# Altium PCB 23D_ESC_DRIVER.PcbDoc
Units mil, origin at the board's own origin, x right, y up, seen from the top; angles counter-clockwise.
Board outline 3865.05 x 3155.05 mil, 4 copper layers (Top Layer, Signal Layer 1, Signal Layer 2, Bottom Layer), stack 30.634 mil thick; 78 components, 75 nets, 340 pads, 490 vias.
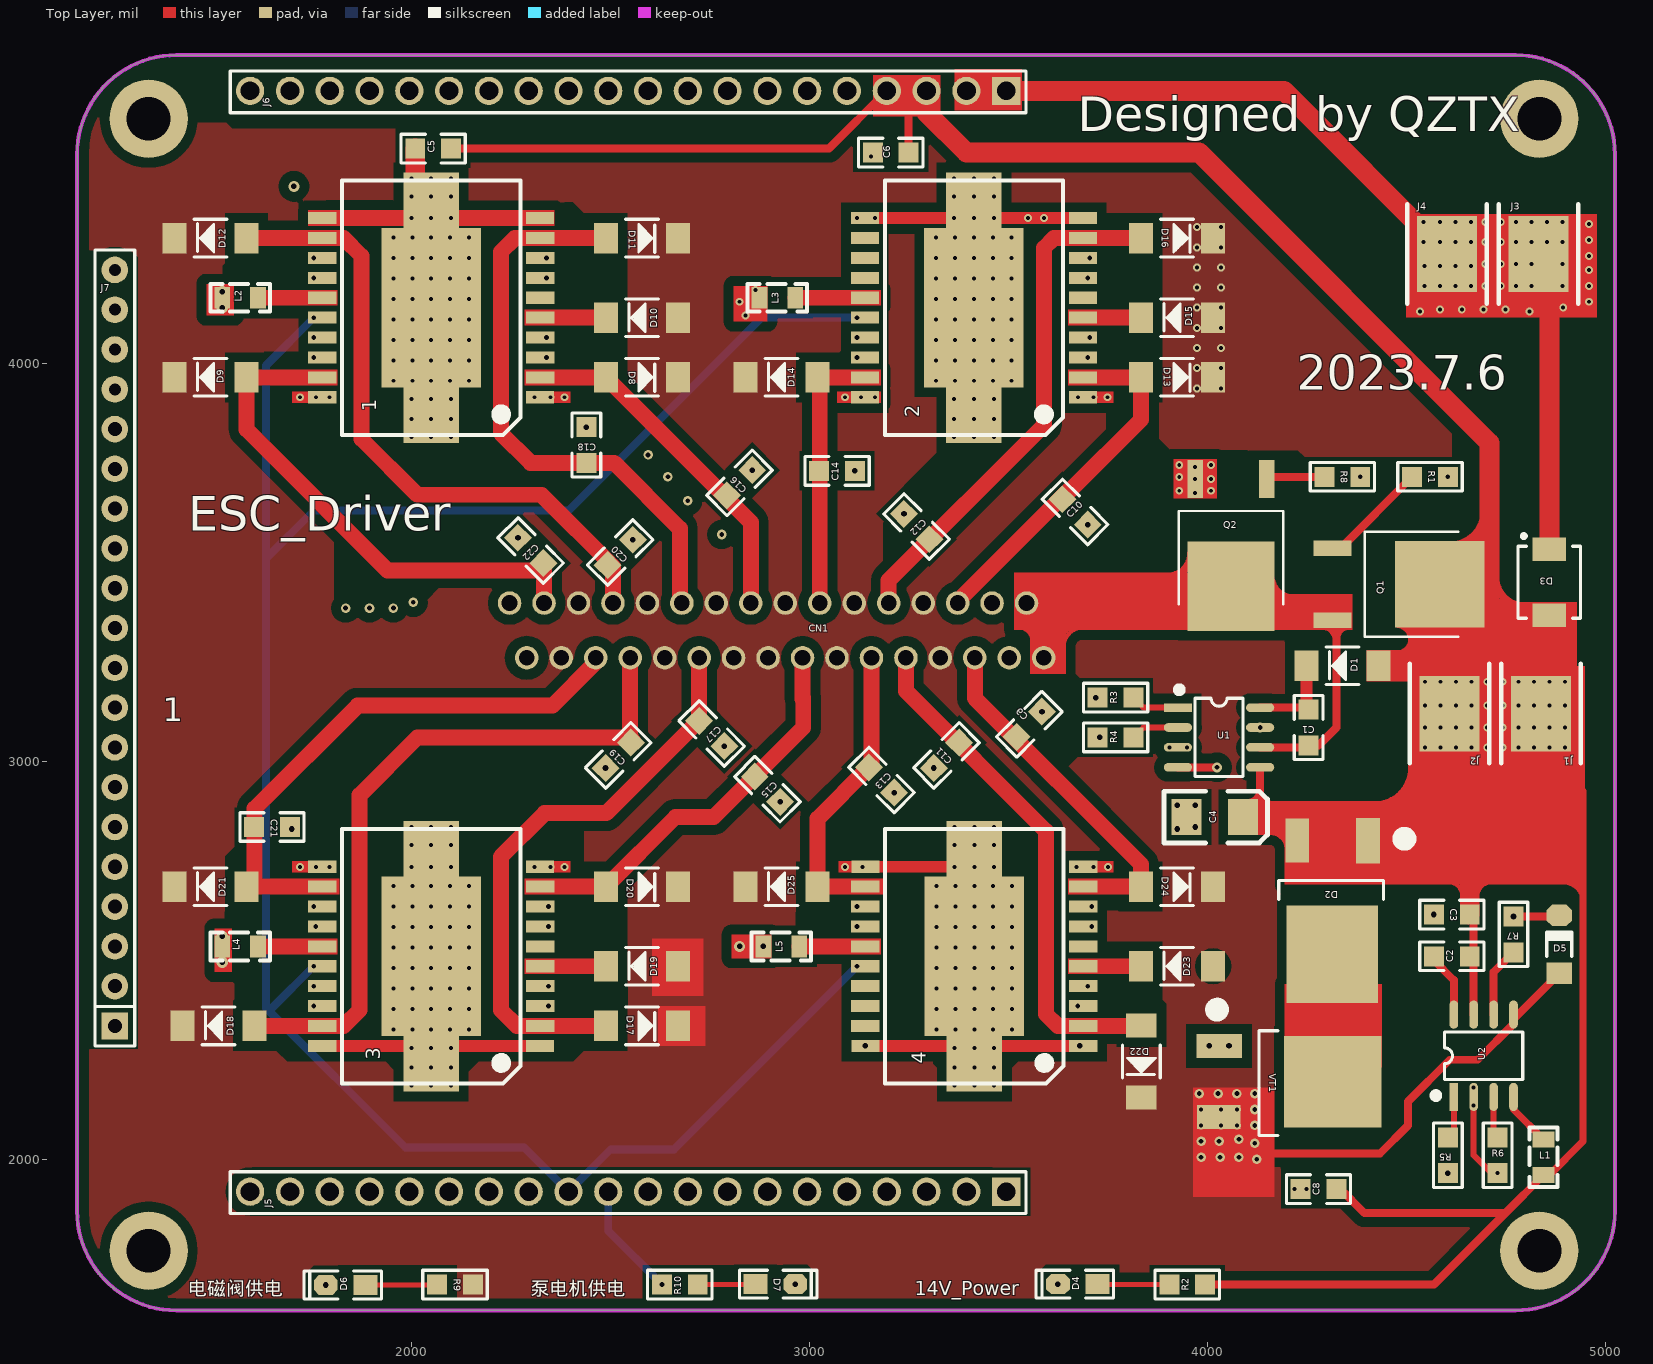
[diagram p0: Top Layer view]
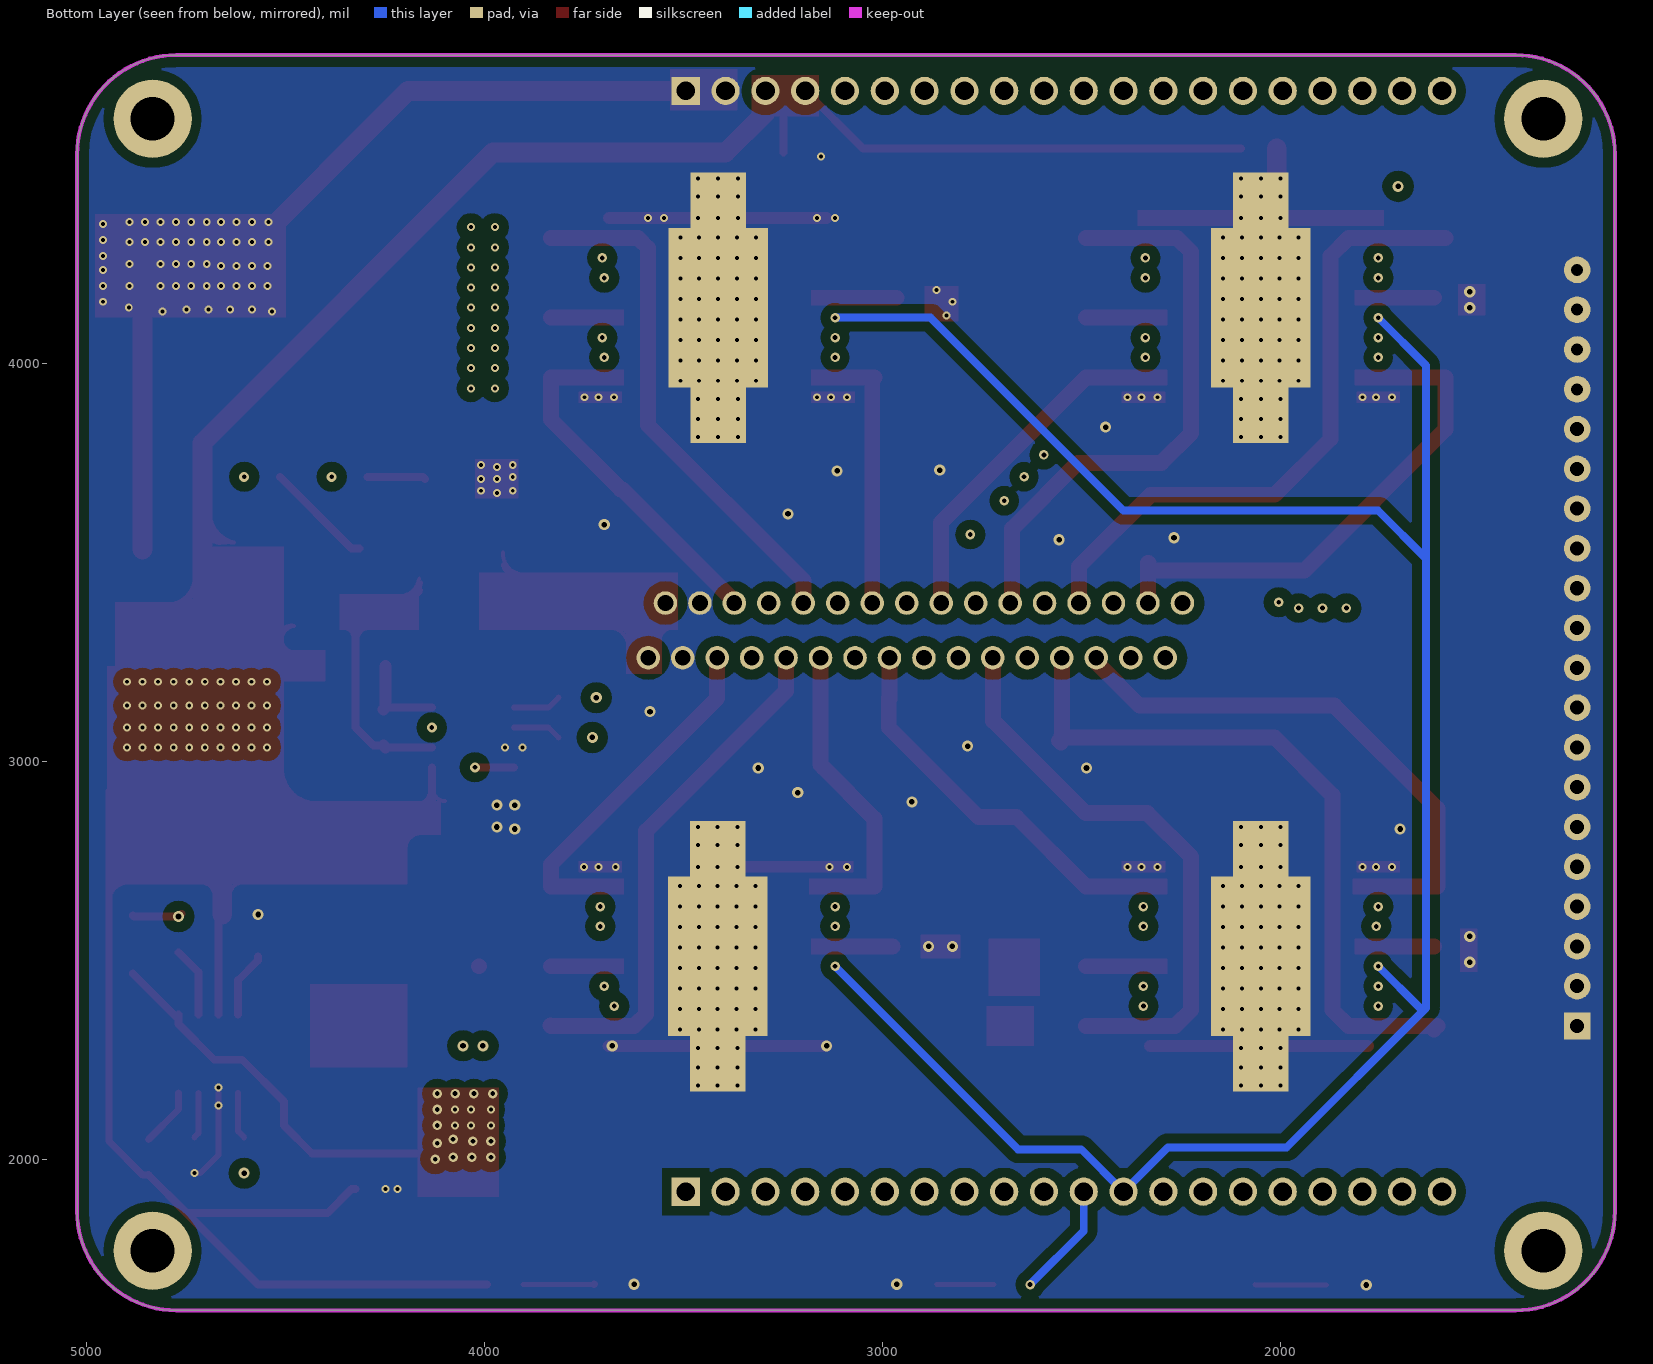
[diagram p1: Bottom Layer view, seen from below]
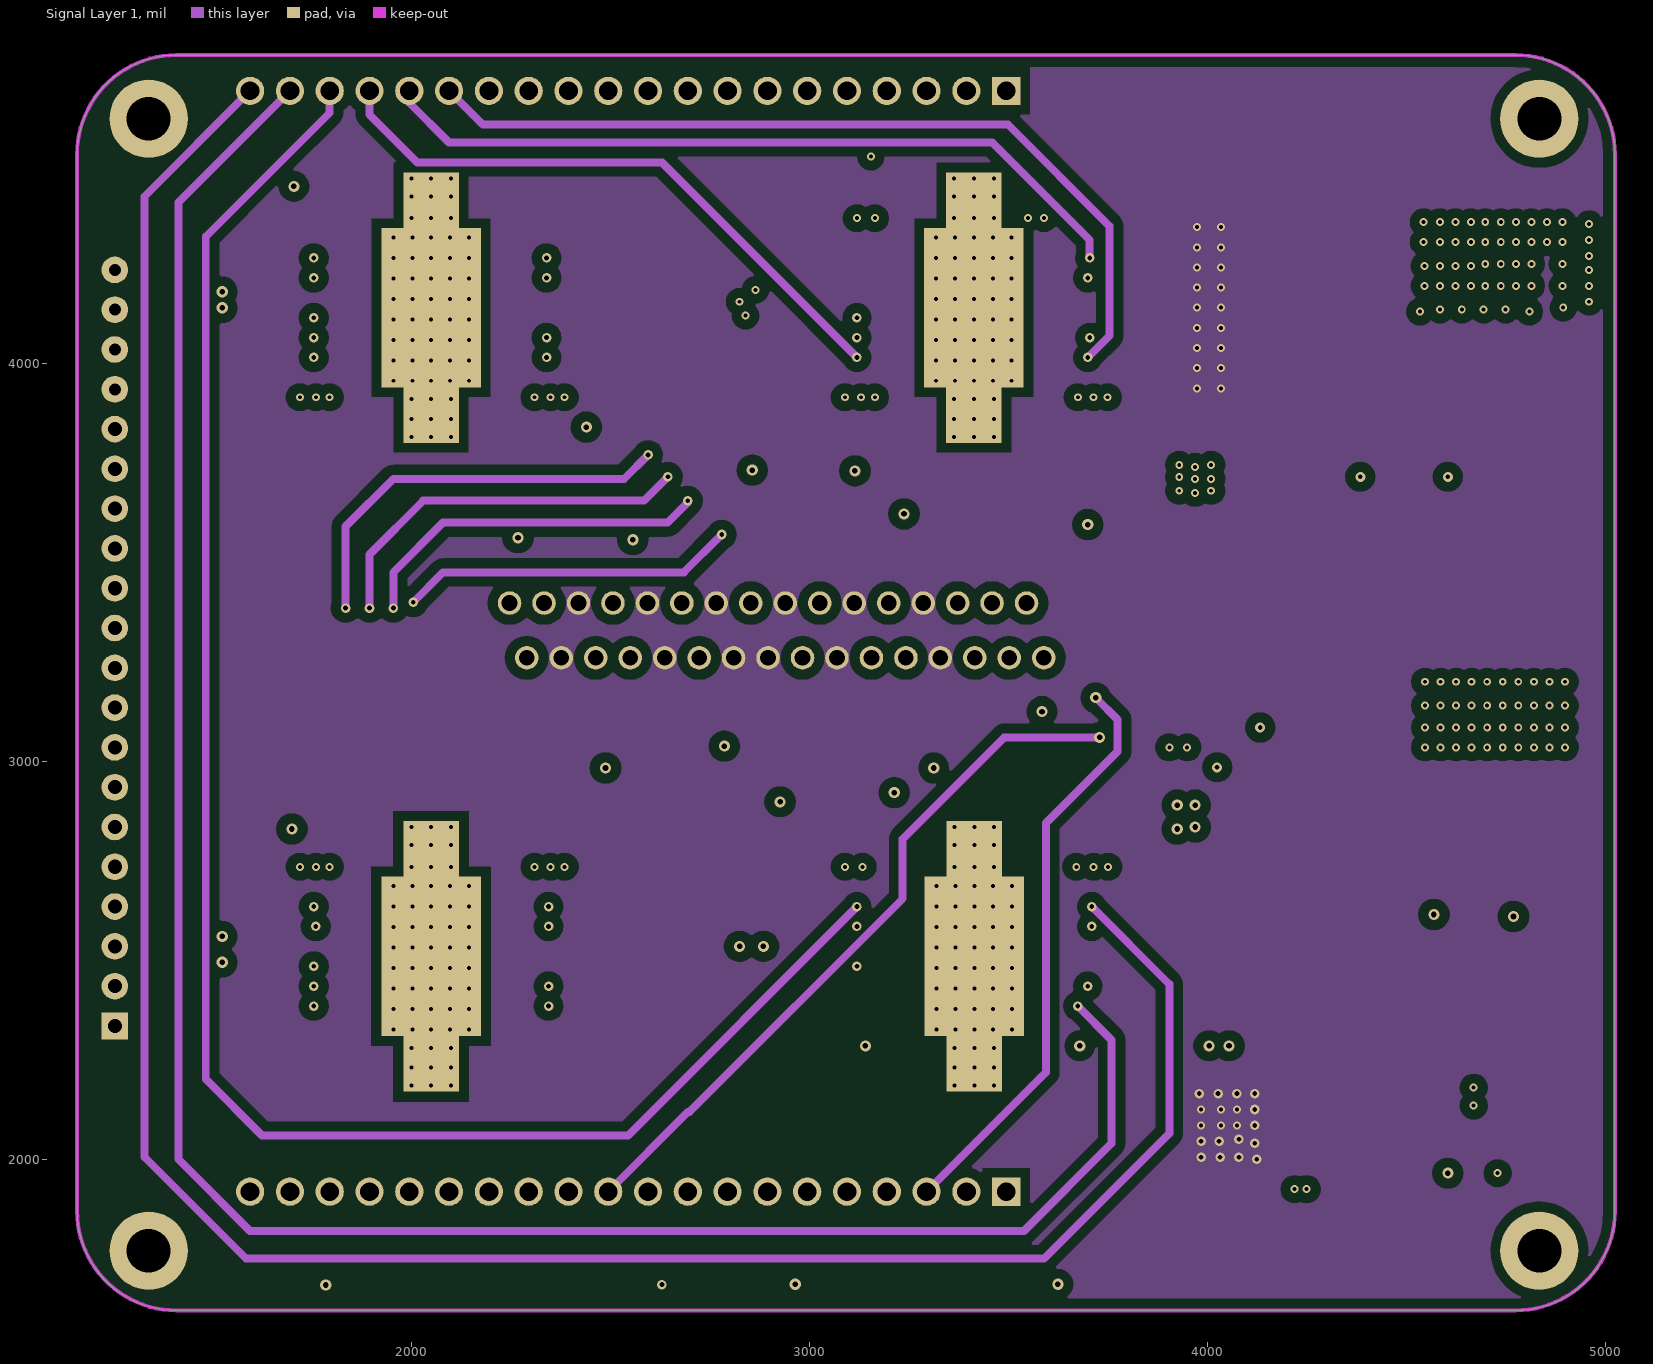
[diagram p2: Signal Layer 1]
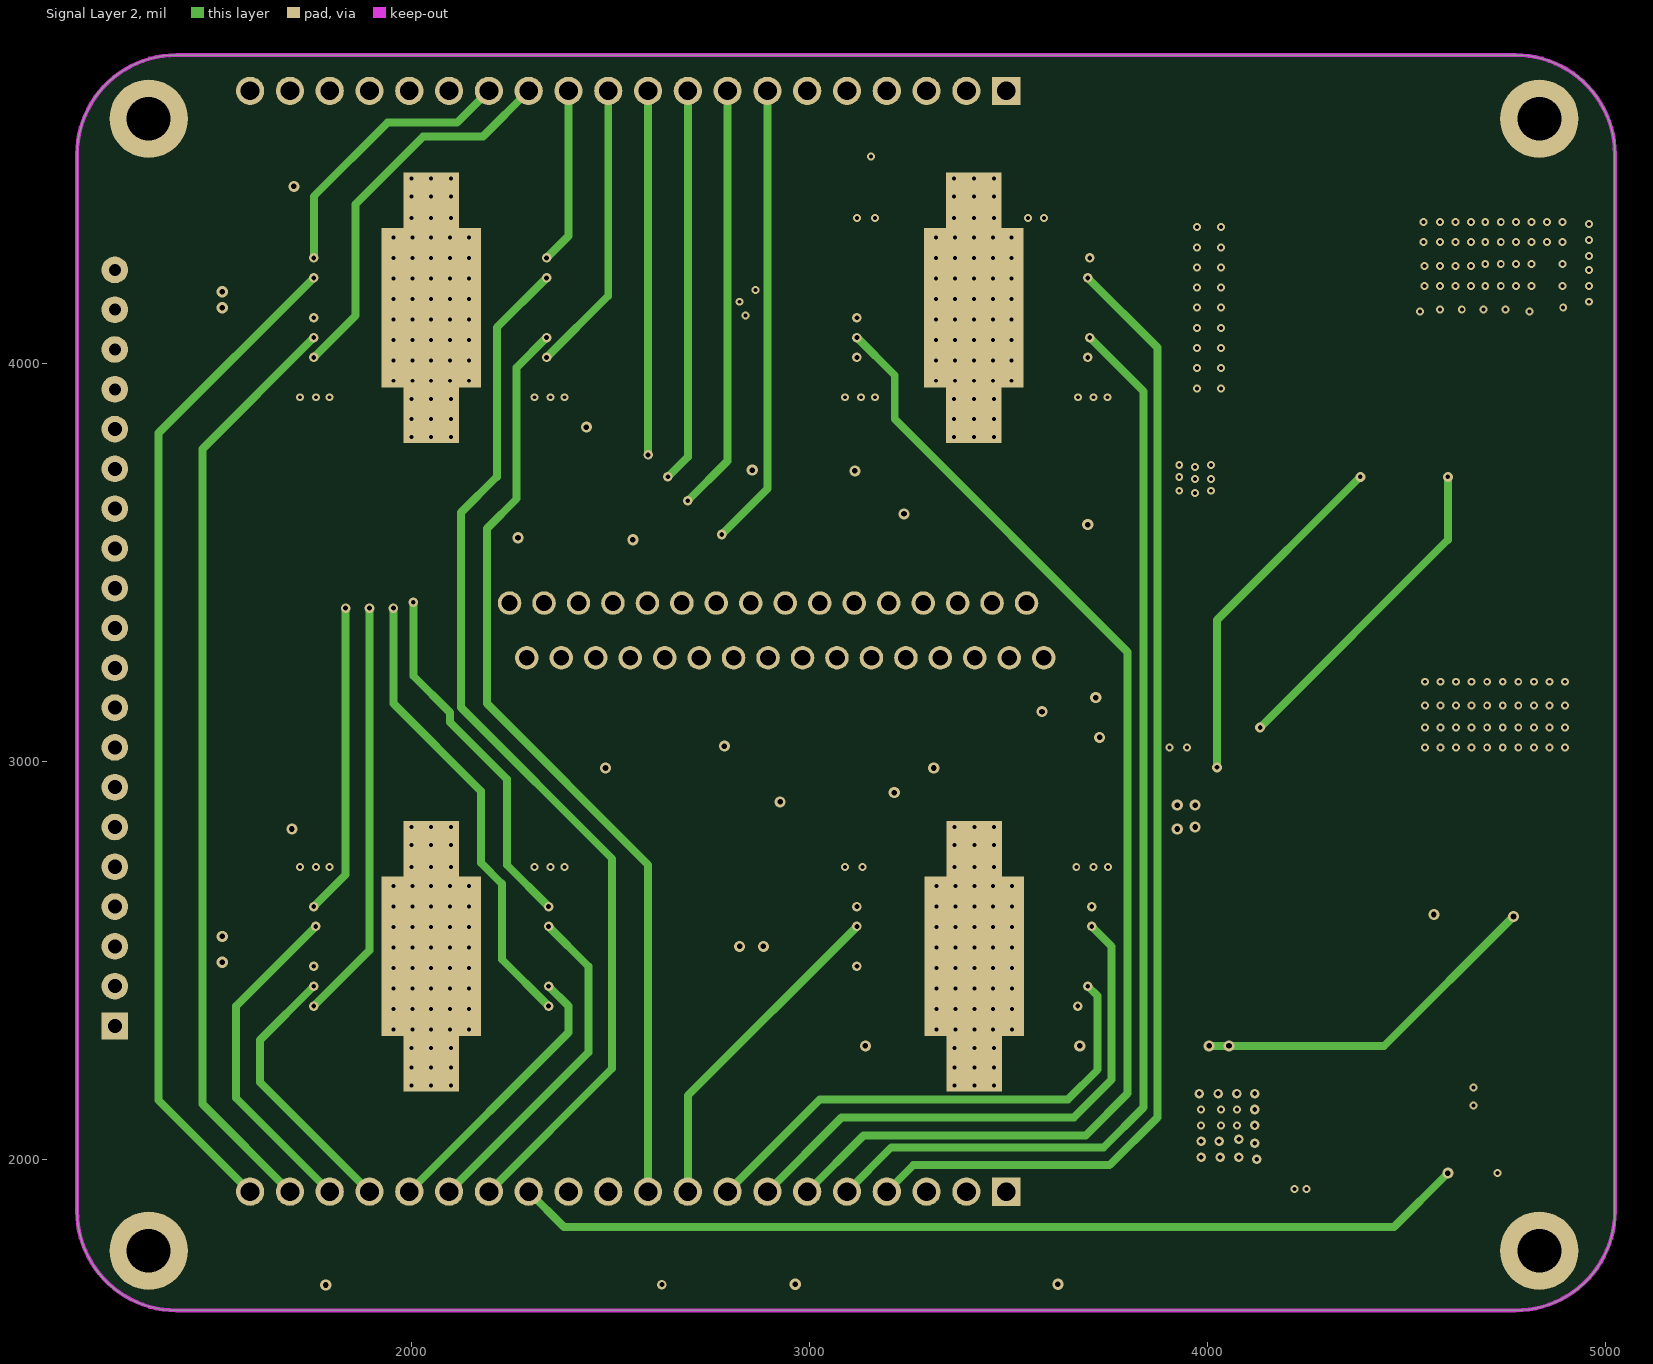
[diagram p3: Signal Layer 2]

## Layer stack, top to bottom
Top Solder: solder mask 0.4, Solder Resist, Dk 3.5
Top Layer: signal copper 1.4
Dielectric 1: core 10, FR-4, Dk 4.2
Signal Layer 1: signal copper 1.417
Dielectric 3: prepreg 5, Dk 4.2
Signal Layer 2: signal copper 1.417
Dielectric 2: core 10, Dk 4.2
Bottom Layer: signal copper 1.4
Bottom Solder: solder mask 0.4, Solder Resist, Dk 3.5

## Board outline
1160,1870 1160,4524.97 1159.97,4524.97 cw(c1410,4524.97) 1410,4775 4774.97,4775 4774.97,4775.03 cw(c4774.97,4525) 5025,4525 5025,1870 5025.03,1870.03 cw(c4775,1870.03) 4775,1620 1410.03,1620 1410.03,1619.97 cw(c1410.03,1870)

## Design rules (kind name [scope] priority, off if disabled: settings)
Clearance Inpoly [InPoly] p1: gap=25
Clearance Clearance_1 [All] p2: gap=10
HoleSize [All] p1: absolutevalues=TRUE maxlimit=500 minlimit=1 maxpercent=80.000 minpercent=20.000
MinimumSolderMaskSliver [All] p1: minsoldermaskwidth=7
PlaneConnect [All] p1: planeconnectstyle=Direct reliefexpansion=20 reliefentries=4 reliefconductorwidth=10 reliefairgap=10
PolygonConnect [All] p1: connectstyle=Direct reliefconductorwidth=10 reliefentries=4 polygonreliefangle="90 Angle" airgapwidth=10
RoutingVias [All] p1: holewidth=28 width=50 viastyle="Through Hole" minholewidth=10 minwidth=20 maxholewidth=28 maxwidth=50
SilkToSilkClearance [All] p1: silktosilkclearance=0
SilkToSolderMaskClearance [IsPad] p1: minsilkscreentomaskgap=1 clearancetoexposedcopper=TRUE
SolderMaskExpansion [All] p1: expansion=4
Width [All] p1: maxlimit=80 minlimit=10 preferedwidth=10
25 further rules are at their usual default settings.

## Components (designator, comment, footprint, x,y, rotation, side; value= is the part's Value field where it differs from the comment)
1 "POWER_SO_20" POWERSO-20_L15.9-W11.0-P1.27-LS14.2-BL-EP 2050,4140 r90 top
2 "POWER_SO_20" POWERSO-20_L15.9-W11.0-P1.27-LS14.2-BL-EP 3413.92,4140 r90 top
3 "POWER_SO_20" POWERSO-20_L15.9-W11.0-P1.27-LS14.2-BL-EP 2050,2510 r90 top
4 "POWER_SO_20" POWERSO-20_L15.9-W11.0-P1.27-LS14.2-BL-EP 3415,2510 r90 top
C1 "50V 10uF" "C 0805" 4255,3085 r90 top
C2 "50V 104" "C 0805" 4615,2510 r0 top
C3 "10uF" "C 0805" 4615,2615 r180 top
C4 "25V 10uF" "CP 3528B" 4019.13,2860 r180 top
C5 "10uF" "C 0805" 2055,4540 r0 top
C6 "10uF" "C 0805" 3205,4530 r0 top
C8 "10uF" "C 0805" 4280,1925 r0 top
C9 "2.2uF" "C 0805" 3553.18,3093.18 r225 top
C10 "2.2uF" "C 0805" 3668.18,3626.82 r315 top
C11 "2.2uF" "C 0805" 3345,3015 r45 top
C12 "2.2uF" "C 0805" 3270,3590 r135 top
C13 "2.2uF" "C 0805" 3181.82,2953.18 r135 top
C14 "2.2uF" "C 0805" 3070,3730 r0 top
C15 "2.2uF" "C 0805" 2895,2930 r135 top
C16 "2.2uF" "C 0805" 2825,3700 r45 top
C17 "2.2uF" "C 0805" 2755,3070 r135 top
C18 "2.2uF" "C 0805" 2440,3795 r90 top
C19 "2.2uF" "C 0805" 2520,3015 r45 top
C20 "2.2uF" "C 0805" 2525,3525 r45 top
C21 "2.2uF" "C 0805" 1650,2835 r180 top
C22 "2.2uF" "C 0805" 2300,3530 r135 top
CN1 "MX34032NF2" CONN-TH_MX34032NF2 2918.26,3328.9 r0 top
D1 "ES1B-E3/61T" DO-214 4340,3240 r180 top
D2 "V40PWM45C" TO252_DIO 4315,2680.35 r180 top
D3 "P6SMB18" DO-214AA 4860,3450 r90 top
D4 "RED" LED_0805 3675,1686 r180 top
D5 "18V" LL34 4885,2540 r90 top
D6 "orange" LED_0805 1835,1684 r180 top
D7 "orange" LED_0805 2915,1686 r0 top
D8 "120T3G" DO-214 2580,3965 r0 top
D9 "120T3G" DO-214 1495,3965 r180 top
D10 "SS34" DO-214 2579.04,4115 r180 top
D11 "120T3G" DO-214 2580,4315 r0 top
D12 "120T3G" DO-214 1495,4315 r180 top
D13 "120T3G" DO-214 3925,3965 r0 top
D14 "120T3G" DO-214 2930,3965 r180 top
D15 "SS34" DO-214 3924.04,4115 r180 top
D16 "120T3G" DO-214 3925,4315 r0 top
D17 "120T3G" DO-214 2580,2335 r0 top
D18 "120T3G" DO-214 1515,2335 r180 top
D19 "SS34" DO-214 2579.04,2485 r180 top
D20 "120T3G" DO-214 2580,2685 r0 top
D21 "120T3G" DO-214 1495,2685 r180 top
D22 "120T3G" DO-214 3835,2245 r270 top
D23 "SS34" DO-214 3924.04,2485 r180 top
D24 "120T3G" DO-214 3925,2685 r0 top
D25 "120T3G" DO-214 2930,2685 r180 top
J1 "SMT_Connector" SMT_Connector 4839,3120 r180 top
J2 "SMT_Connector" SMT_Connector 4609,3120 r180 top
J3 "SMT_Connector" SMT_Connector 4833,4275 r0 top
J4 "SMT_Connector" SMT_Connector 4603,4275 r0 top
J5 "2.54-1*20P直针" HDR-TH_20P-P2.54-V-M-1 2545,1918.5 r180 top
J6 "2.54-1*20P直针" HDR-TH_20P-P2.54-V-M-1 2545,4685 r180 top
J7 "2.54-1*20P直针" HDR2.54-LI-20P 1255,3285 r90 top
L1 "Inductor" "L 0805" 4845,2005 r270 top
L2 "Inductor" "L 0805" 1570,4165 r0 top
L3 "Inductor" "L 0805" 2920,4165 r0 top
L4 "Inductor" "L 0805" 1570,2535 r0 top
L5 "Inductor" "L 0805" 2930,2535 r0 top
Q1 "LR7843-VB" TO-252-2_L6.6-W6.1-P4.58-LS9.9-BR 4450.21,3445 r180 top
Q2 "LR7843-VB" TO-252-2_L6.6-W6.1-P4.58-LS9.9-BR 4060,3574.79 r90 top
R1 "10R" "R 0805" 4560,3715 r180 top
R2 "10K" "R 0805" 3950,1685 r0 top
R3 "1K" "R 0805" 3770,3160 r0 top
R4 "1K" "R 0805" 3770,3060 r0 top
R5 "1K" "R 0805" 4605,2010 r90 top
R6 "6.8R@Ipeak=167mA" "R 0805" 4730,2010 r90 top
R7 "330R" "R 0805" 4770,2565 r90 top
R8 "10R" "R 0805" 4340,3715 r180 top
R9 "10K" "R 0805" 2110,1685 r180 top
R10 "10K" "R 0805" 2675,1685 r0 top
U1 "IR2184" SOP8 4030,3060 r0 top
U2 "AUIR3241S" SOP8 4695,2260 r90 top
VT1 "SQD40N06" TO252 4150,2195 r270 top

## Footprints (in the part's own frame and the unit in brackets; to place one, negate y for a bottom-side part, rotate by r counter-clockwise, add the part's x,y. Pads: shape width x height; smd on the part's side, far side on the other; paste and mask are expansions set on the pad)
"C 0805" [mil]
  rect 50x50 smd: 1(-45,0) 2(45,0)
  silkscreen extent -81,-36 81,36, body extent -39,-24 39,24, height 20
CONN-TH_MX34032NF2 [mm]
  round 1.5 hole 1 paste+0 mask+0.05: 1(17.05,-1.75) 2(15.95,1.75) 3(14.85,-1.75) 4(13.75,1.75) 5(12.65,-1.75) 6(11.55,1.75) 7(10.45,-1.75) 8(9.35,1.75) 9(8.25,-1.75) 10(7.15,1.75) 11(6.05,-1.75) 12(4.95,1.75) 13(3.85,-1.75) 14(2.75,1.75) 15(1.65,-1.75) 16(0.55,1.75) 17(-0.55,-1.75) 18(-1.65,1.75) 19(-2.75,-1.75) 20(-3.85,1.75) 21(-4.95,-1.75) 22(-6.05,1.75) 23(-7.15,-1.75) 24(-8.25,1.75) 25(-9.35,-1.75) 26(-10.45,1.75) 27(-11.55,-1.75) 28(-12.65,1.75) 29(-13.75,-1.75) 30(-14.85,1.75) 31(-15.95,-1.75) 32(-17.05,1.75)
"CP 3528B" [mil]
  rect 75x90 smd: 1(-70.86,0) 2(70.87,0)
  silkscreen extent -132,-65 128,65, body extent -69,-55 69,55, height 75
DO-214 [mil]
  rect 60x76.77 smd: 1(-91.03,0) 2(90.07,0)
  silkscreen extent -42,-47 41,47, body extent -84,-47 83,47, height 118
DO-214AA [mm]
  rect 1.5x2.15 smd: 1(-2.1,0) 2(2.1,0)
  silkscreen extent -2.3,-2 3.07,2, body extent -2.29,-1.97 2.28,1.97, height 2.44
HDR2.54-LI-20P [mm] "排针，20脚"
  rect 1.7x1.7 hole 0.9: 1(-24.13,0)
  round 1.7 hole 0.9: 2(-21.59,0) 3(-19.05,0) 4(-16.51,0) 5(-13.97,0) 6(-11.43,0) 7(-8.89,0) 8(-6.35,0) 9(-3.81,0) 10(-1.27,0) 11(1.27,0) 12(3.81,0) 13(6.35,0) 14(8.89,0) 15(11.43,0) 16(13.97,0)
  round 1.7 hole 0.762: 17(16.51,0) 18(19.05,0) 19(21.59,0) 20(24.13,0)
  silkscreen extent -25.4,-1.27 25.4,1.27, body extent -25.4,-1.27 25.4,1.27, height 8.5
HDR-TH_20P-P2.54-V-M-1 [mm]
  rect 1.8x1.8 hole 1.2 mask+0.051: 1(-24.13,0)
  round 1.8 hole 1.2 mask+0.051: 2(-21.59,0) 3(-19.05,0) 4(-16.51,0) 5(-13.97,0) 6(-11.43,0) 7(-8.89,0) 8(-6.35,0) 9(-3.81,0) 10(-1.27,0) 11(1.27,0) 12(3.81,0) 13(6.35,0) 14(8.89,0) 15(11.43,0) 16(13.97,0) 17(16.51,0) 18(19.05,0) 19(21.59,0) 20(24.13,0)
  silkscreen extent -25.4,-1.27 25.4,1.4
"L 0805" [mil] "小功率贴片电感"
  rect 40x55 smd: 1(-45,0) 2(45,0)
  silkscreen extent -75,-35 75,35, body extent -39,-24 39,24, height 35
LED_0805 [mil]
  rect 60x50 smd: 1(-50,0)
  oct 60x50 smd: 2(50,0)
  silkscreen extent -90,-35 105,35, body extent -39,-25 39,25, height 32
LL34 [mm]
  rect 1.37x1.62 smd: 1(-1.855,0)
  oct 1.37x1.62 smd: 2(1.855,0)
  silkscreen extent -0.76,-0.8 0.78,0.8, body extent -1.7,-0.75 1.7,0.75, height 1.5
POWERSO-20_L15.9-W11.0-P1.27-LS14.2-BL-EP [mm]
  rect 0.772x1.8 smd paste+0 mask+0.051: 1(-5.715,-6.955) 2(-4.445,-6.958) 3(-3.175,-6.958) 4(-1.905,-6.958) 5(-0.635,-6.958) 6(0.635,-6.958) 7(1.905,-6.958) 8(3.175,-6.958) 9(4.445,-6.958) 10(5.715,-6.955) 11(5.715,6.955) 12(4.445,6.958) 13(3.175,6.958) 14(1.905,6.958) 15(0.635,6.958) 16(-0.635,6.958) 17(-1.905,6.958) 18(-3.175,6.958) 19(-4.445,6.958) 20(-5.715,6.955)
  rect 3.556x3.556 all layers, no hole: 21(-6.858,0) 21(6.858,0)
  rect 10.16x6.35 all layers, no hole: 21(0,0)
  silkscreen extent -8.13,-5.69 8.13,5.69, body extent -7.92,-7.09 8,7.11, height 5.2
"R 0805" [mil]
  rect 50x50 smd: 1(-45,0) 2(45,0)
  silkscreen extent -81,-36 81,36, body extent -39,-25 39,25, height 20
SMT_Connector [mil]
  rect 150x190 smd: 1(0,0)
  silkscreen extent -100,-125 100,125
SOP8 [mm]
  rect 1.8x0.55 smd: 1(-2.625,1.905)
  oval 1.8x0.55 smd: 2(-2.625,0.635) 3(-2.625,-0.635) 4(-2.625,-1.905) 5(2.625,-1.905) 6(2.625,-0.635) 7(2.625,0.635) 8(2.625,1.905)
  silkscreen extent -2.69,-2.5 1.52,3.2, body extent -3,-2.5 3,2.5, height 1.9
TO252 [mil]
  rect 60x115 smd: 1(-89.55,-119.77)
  rect 230x245 smd: 2(0,165.35)
  rect 60x110 smd: 3(88.45,-120.77)
  silkscreen extent -196,-140 135,28, body extent -127,-120 129,251, height 91
TO252_DIO [mil]
  rect 60x115 smd: 1(-89.55,-119.77)
  rect 60x110 smd: 1(88.45,-120.77)
  rect 230x245 smd: 2(0,165.35)
  silkscreen extent -196,-140 135,28, body extent -127,-120 129,251, height 91
TO-252-2_L6.6-W6.1-P4.58-LS9.9-BR [mil]
  rect 94.84x38.53 smd mask+2: 1(134.79,-90.16) 3(134.78,90.16)
  rect 224.84x218.44 smd mask+2: 2(-134.79,0)
  silkscreen extent -180,-132 54,132, body extent -230,-130 160,130, height 154
